# Altium PCB Pleiades_PP.PcbDoc (part 14 of 15)
Units mil, origin at the board's own origin, x right, y up, seen from the top; angles counter-clockwise.
Board outline 12244.09 x 4515.28 mil, 12 copper layers (TOP, GND1, IN1, GND2, POW1, GND3, POW2, GND4, GND5, IN2, GND6, BOT), stack 63.546 mil thick; 1447 components, 738 nets, 4532 pads, 3316 vias.
Unrouted connection lines stored in the file: 499.
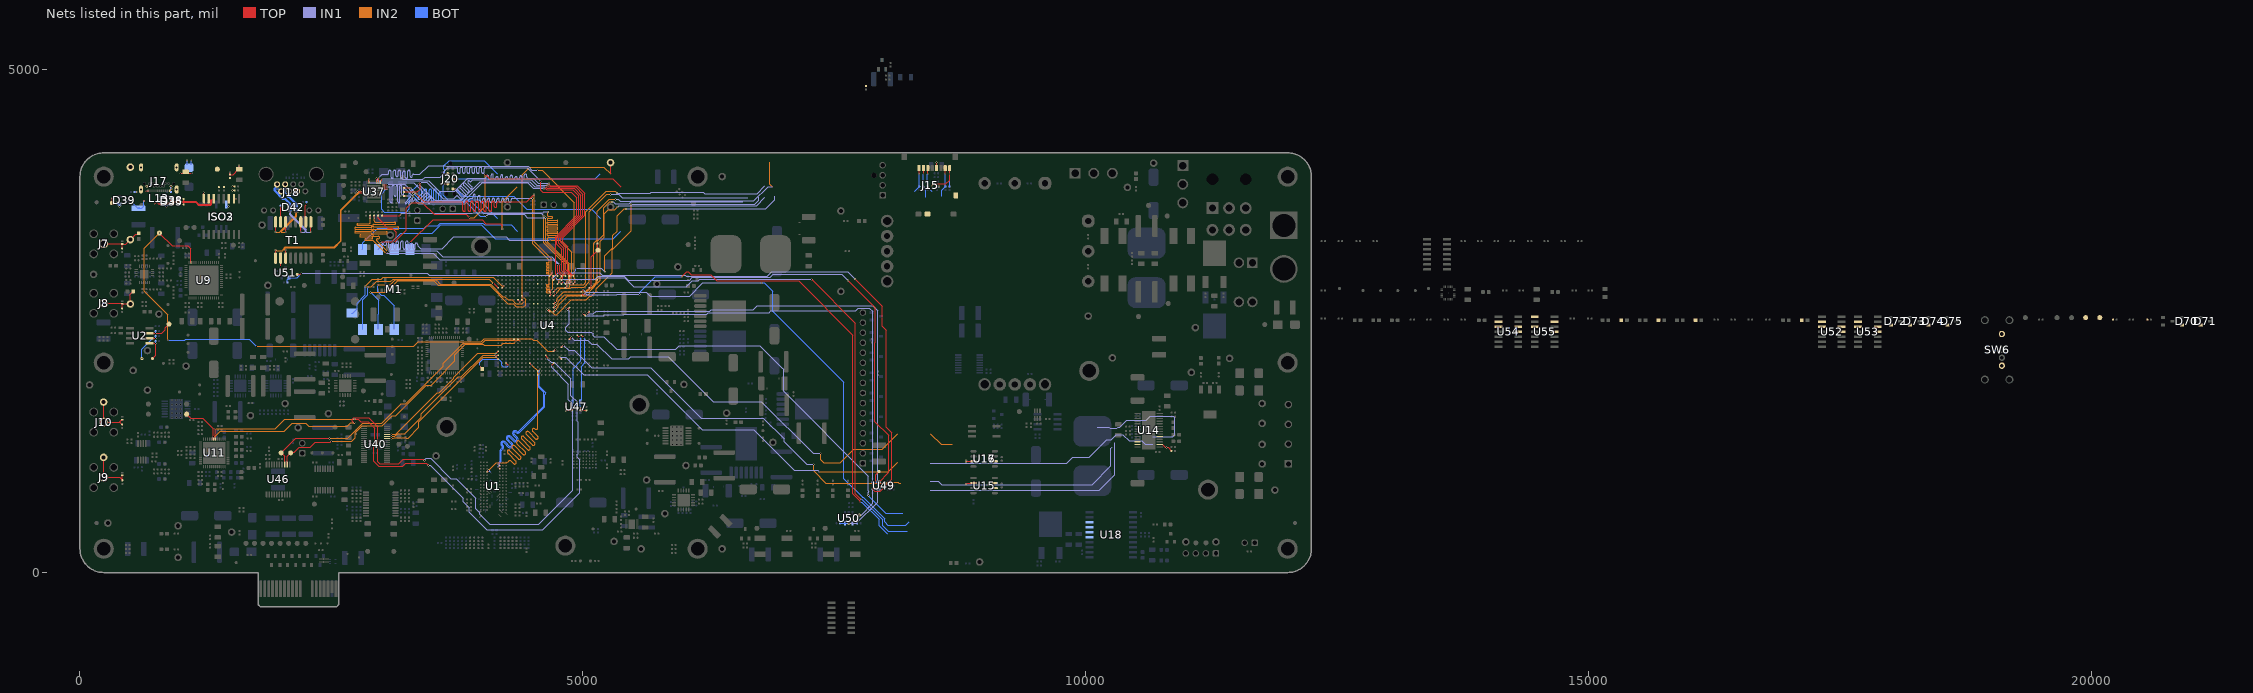
[diagram p24: the nets of this part, all layers, seen from the top]

## Via types
v1: diameter 12/18/18/18/18/18/18/18/18/18/18/12 (per signal layer), hole 6, TOP to BOT, 2739 vias
v2: diameter 20, hole 10, TOP to BOT, 363 vias
v3: diameter 19.68, hole 7.87, TOP to BOT, 110 vias
v4: diameter 40, hole 20, TOP to BOT, 36 vias
v5: diameter 25, hole 12, TOP to BOT, 32 vias
v6: diameter 22, hole 12, TOP to BOT, 27 vias
v7: diameter 19.68, hole 11.81, TOP to BOT, 9 vias

## Nets (pads, with @x,y where several pads share a name; then routed paths per layer and width w, separated by ;. In a path a pad name is that pad's centre, name@x,y a point inside that pad or via, vN(x,y) a via of type N, cw(c..) or ccw(c..) an arc to the next point about the centre after c; other vN are vias at no path point) (continued)
RTC_MFP: R45.2 TP5.1 U2.7 U4.L24 | length 268
  TOP w10: U2.7@690,2380 749.46,2380 751.96,2377.5 v1(752.5,2377.5) 811.54,2377.5 847.19,2413.15 847.19,2432.19 TP5.1@885,2470
  BOT w10: v1(752.5,2377.5) R45.2@752.5,2400
RTC_SCL: R47.2 TP7.1 U2.6 U4.K19 | length 359.5
  TOP w10: U2.6@690,2330 749.46,2330 751.96,2327.5 v1(752.5,2327.5)
  BOT w10: v1(615,2127.5) 615,2218.16 724.34,2327.5 v1(752.5,2327.5) R47.2@752.5,2350
RTC_SDA: R46.2 TP6.1 U2.5 U4.L19 | length 249.5
  TOP w10: U2.5@690,2280 749.46,2280 751.96,2277.5 v1(752.5,2277.5) 752.5,2160 TP6.1@720,2127.5
  BOT w10: v1(752.5,2277.5) R46.2@752.5,2300
RX_17_+: D42.1 D42.10 J18.1 T1.11 | length 788.5
  TOP w10: v1(2195,3385) T1.11@2195,3485.96
  IN1 w3.09: v1(2080.63,3586.56) 2084.11,3586.56 2085.93,3584.75 2085.93,3558.5 2240.45,3403.97 2240.45,3386.81 2238.64,3385 v1(2195,3385)
  BOT w4.33: J18.1@1960,3860 1960,3846.27 1944.72,3830.99 1944.72,3829.76 1942.19,3827.22 1937.65,3827.22 1929.65,3819.22 1929.65,3795.56 2011.76,3713.45 2034.83,3713.45 2085.81,3662.47 2085.81,3655.26 2080.63,3650.08 D42.1@2080.63,3645.16 2080.63,3640.24 2085.81,3635.06 2085.81,3624.94 2080.63,3619.76 D42.10@2080.63,3614.84
  BOT w10: v1(2080.63,3586.56) D42.10@2080.63,3614.84
RX_17_-: D42.2 D42.9 J18.2 T1.9 | length 802.2
  TOP w10: v1(2295,3385) T1.9@2295,3485.96
  IN1 w3.09: v1(2100.31,3586.56) 2096.83,3586.56 2095.02,3584.75 2095.02,3562.26 2249.55,3407.74 2249.55,3386.81 2251.36,3385 v1(2295,3385)
  BOT w4.33: J18.2@2000,3790 1972.11,3817.89 1941.51,3817.89 1938.98,3815.36 1938.98,3799.42 2015.62,3722.78 2038.7,3722.78 2095.14,3666.34 2095.14,3655.26 2100.31,3650.08 D42.2@2100.31,3645.16 2100.31,3640.24 2095.14,3635.06 2095.14,3624.94 2100.31,3619.76 D42.9@2100.31,3614.84
  BOT w10: v1(2100.31,3586.56) D42.9@2100.31,3614.84
RXC: R301.2 U4.W25 | length 3701.6
  TOP w5.95: R301.2@3222.5,3785 3355,3785 3383.03,3813.03 v1(3383.03,3878.03) ; v1(4647.63,3852.63) 4647.63,3845.66 4660,3833.28 4928.28,3833.28 5000,3761.57 5000,3550 4780,3330 4780,3281.57 4830,3231.57 4830,3011.67 4880.98,2960.69 4880.98,2941.22 4867,2927.24 4867,2910.31 U4.W25@4866.14,2909.45
  IN1 w3.68: v1(3383.03,3878.03) 3446.97,3878.03 3610,3715 3715,3715 3722.5,3722.5 3740.54,3740.54 cw(c3748.91,3732.17) 3757.28,3740.54 3781.35,3716.48 ccw(c3789.72,3724.85) 3798.09,3716.48 ccw(c3789.72,3724.85) 3798.09,3733.22 3746.25,3785.06 cw(c3754.62,3793.43) 3746.25,3801.8 cw(c3754.62,3793.43) 3762.99,3801.8 3814.83,3749.96 ccw(c3823.2,3758.33) 3831.58,3749.96 ccw(c3823.2,3758.33) 3831.58,3766.7 3779.73,3818.55 cw(c3788.1,3826.92) 3779.73,3835.29 cw(c3788.1,3826.92) 3796.47,3835.29 3848.32,3783.44 ccw(c3856.69,3791.81) 3865.06,3783.44 ccw(c3856.69,3791.81) 3865.06,3800.18 3813.21,3852.03 cw(c3821.59,3860.4) 3813.21,3868.77 cw(c3821.59,3860.4) 3829.96,3868.77 3879.71,3819.02 ccw(c3888.08,3827.39) 3896.45,3819.02 ccw(c3888.08,3827.39) 3896.45,3835.76 3857.73,3874.48 cw(c3866.11,3882.85) 3857.73,3891.22 ; 3857.73,3891.22 cw(c3866.11,3882.85) 3874.48,3891.22 ccw(c3882.85,3899.59) 3891.22,3891.22 3903.94,3903.94 3927.08,3903.94 4488.94,3903.94 4540.25,3852.63 v1(4647.63,3852.63)
RXCT_17: R304.1 T1.10 | length 206.3
  TOP w10: T1.10@2245,3485.96 2241.17,3489.79 2241.17,3543.15 2240,3544.32 2240,3649.11 2252.5,3661.61 v1(2252.5,3662.15)
  BOT w10: v1(2252.5,3662.15) R304.1@2252.5,3685
RXD: U4.W18 U18.5 | length 4638.6
  TOP w8.89: v1(4846.46,2614.17) U4.W18@4866.14,2633.86
  IN1 w5: v1(4846.46,2614.17) 4865,2595.63 4865,2475 4828.96,2438.96 4828.96,2410.07 4847.82,2391.21 5085.68,2391.21 5104.55,2372.35 5104.55,2356.08 5115.63,2345 5210,2345 5335,2220 5650,2220 5925,2220 5960,2255 6758.86,2255 6979.39,2034.47 6995,2018.86 6995,1804.39 7840,959.39 7840,811.26 7841.5,809.76 7841.5,800.24 7840,798.74 v1(7840,765)
  BOT w5: v1(7840,765) 8013.5,591.5 8174.1,591.5 8178.6,587
RXD0: R297.2 U4.V23 | length 3624.4
  TOP w5.95: R297.2@3005,3547.5 3177.5,3547.5 v1(3190,3560)
  TOP w8.89: U4.V23@4826.77,2830.71 v1(4846.46,2850.39)
  IN1 w3.68: v1(3190,3560) 3200.16,3570.16 3901.84,3570.16 3910.84,3579.16 4607.5,3579.16 4613.34,3585 v1(4655,3585)
  IN2 w3.68: v1(4655,3585) 4650.33,3580.33 4650.33,3578.49 4650.29,3549.31 ccw(c4659.63,3549.3) 4659.63,3539.97 4690.14,3539.97 cw(c4690.14,3530.63) 4690.14,3521.29 4654.44,3521.29 ccw(c4654.44,3511.95) 4654.44,3502.61 4742.97,3502.61 cw(c4742.97,3493.27) 4742.97,3483.94 4651.53,3483.94 ccw(c4651.53,3474.6) 4651.53,3465.26 4742.97,3465.26 cw(c4742.97,3455.92) 4742.97,3446.58 4651.53,3446.58 ccw(c4651.53,3437.24) 4651.53,3427.91 4742.97,3427.91 cw(c4742.97,3418.57) 4742.97,3409.23 4651.53,3409.23 ccw(c4651.53,3399.89) 4651.53,3390.55 4742.97,3390.55 cw(c4742.97,3381.21) 4742.97,3371.88 4651.53,3371.88 ccw(c4651.53,3362.54) 4651.53,3353.2 4742.97,3353.2 cw(c4742.97,3343.86) 4742.97,3334.52 4659.37,3334.52 ccw(c4659.37,3325.18) 4650.03,3325.2 4650,3301.84 4650,3300 4650,3284.44 4865,3069.44 4865,2892.98 4846.46,2874.44 v1(4846.46,2850.39)
RXD1: R298.2 U4.W24 | length 3624.4
  TOP w8.89: U4.W24@4866.14,2870.08 v1(4885.83,2889.76)
  TOP w10: R298.2@2965,3547.5 2965,3522.5 3062.5,3425 3105,3425 3145,3385 3145,3335 3100,3290 v1(2990,3290)
  IN1 w3.68: v1(2990,3290) 3024.93,3255.07 3035,3255.07 3036.84,3255.07 ccw(c3036.84,3266.91) 3048.68,3266.91 3048.68,3283.24 cw(c3060.52,3283.24) 3072.35,3283.24 3072.35,3226.91 ccw(c3084.19,3226.91) 3096.03,3226.91 3096.03,3260.63 cw(c3107.87,3260.63) 3119.71,3260.63 3119.71,3226.91 ccw(c3131.55,3226.91) 3143.38,3226.91 3143.38,3283.24 cw(c3155.22,3283.24) 3167.06,3283.24 3167.06,3226.91 ccw(c3178.9,3226.91) 3190.74,3226.91 3190.74,3283.24 cw(c3202.58,3283.24) 3214.41,3283.24 3214.41,3226.91 ccw(c3226.25,3226.91) 3238.09,3226.91 3238.09,3283.24 cw(c3249.93,3283.24) 3261.77,3283.24 3261.77,3226.91 ccw(c3273.6,3226.91) 3285.44,3226.91 3285.44,3259.82 cw(c3297.28,3259.82) 3309.12,3259.82 3309.12,3226.91 ccw(c3320.96,3226.91) 3332.8,3226.91 3332.8,3264.42 cw(c3344.63,3264.42) 3356.47,3264.42 3356.47,3258.9 ccw(c3368.31,3258.9) 3359.94,3250.53 3390.32,3220.15 3520,3220.15 3600.15,3220.15 3716.93,3336.93 4236.48,3336.93 4270.41,3303 v1(4675,3303)
  IN2 w3.68: v1(4675,3303) 4772,3303 4890.61,3184.39 4890.61,2949.52 4885.83,2944.74 v1(4885.83,2889.76)
  other v1: 2990,3290
RXD2: R299.2 U4.U25 | length 3624.4
  TOP w5.95: v1(4770,3065) 4770,2992.93 4802.24,2960.69 4802.24,2924.28 U4.U25@4787.4,2909.45
  TOP w10: v1(2925,3525) R299.2@2925,3547.5
  IN1 w3.68: v1(3060,3190) 3070,3200 3545,3200 3605,3140 4688.69,3140 4763.69,3065 v1(4770,3065)
  IN2 w3.68: v1(2925,3525) 2925,3520.67 2925,3496.86 ccw(c2936.84,3496.86) 2936.84,3485.02 3127.12,3485.02 cw(c3127.12,3473.18) 3127.12,3461.35 2922.61,3461.35 ccw(c2922.61,3449.51) 2922.61,3437.67 3159.81,3437.67 cw(c3159.81,3425.83) 3159.81,3413.99 2922.61,3413.99 ccw(c2922.61,3402.15) 2922.61,3390.32 3045.43,3390.32 cw(c3045.43,3378.48) 3045.43,3366.64 2922.61,3366.64 ccw(c2922.61,3354.8) 2922.61,3342.96 2967.32,3342.96 cw(c2967.32,3331.13) 2967.32,3319.29 2959.29,3319.29 ccw(c2959.29,3307.45) 2950.92,3299.08 3009.5,3240.5 v1(3060,3190)
RXD3: R300.2 U4.U26 | length 3624.4
  TOP w5.95: v1(4750,3063.36) 4750,2986.22 U4.U26@4787.4,2948.82
  TOP w10: v1(2885,3525) R300.2@2885,3547.5
  IN1 w3.68: v1(3040,3175) 3514.07,3175 3579.07,3110 4703.36,3110 v1(4750,3063.36)
  IN2 w3.68: v1(2885,3525) 2885,3521.06 2885,3478.94 cw(c2875.66,3478.94) 2875.66,3469.6 2763,3469.6 ccw(c2763,3460.26) 2763,3450.92 2894.76,3450.92 cw(c2894.76,3441.58) 2894.76,3432.24 2741.05,3432.24 ccw(c2741.05,3422.91) 2741.05,3413.57 2894.76,3413.57 cw(c2894.76,3404.23) 2894.76,3394.89 2741.05,3394.89 ccw(c2741.05,3385.55) 2741.05,3376.21 2894.76,3376.21 cw(c2894.76,3366.88) 2894.76,3357.54 2789.29,3357.54 ccw(c2789.29,3348.2) 2789.29,3338.86 2903.03,3338.86 cw(c2903.03,3329.52) 2903.03,3320.18 2841.18,3320.18 ccw(c2841.18,3310.85) 2841.18,3301.51 2906.89,3301.51 cw(c2906.89,3285.57) 2918.16,3296.84 2920,3295 v1(3040,3175)
RXDV: R294.2 U4.P21 | length 3624.4
  TOP w8.89: U4.P21@4669.29,2751.97 v1(4688.98,2771.65)
  TOP w10: R294.2@3222.5,3745 v1(3245,3745)
  IN1 w3.68: v1(3245,3745) 3270.3,3745 3281.19,3745 3285.36,3740.83 cw(c3279.82,3735.29) 3285.36,3729.74 3234.14,3678.53 ccw(c3239.69,3672.99) 3234.14,3667.44 ccw(c3239.69,3672.99) 3245.23,3667.44 3296.44,3718.66 cw(c3301.99,3713.12) 3307.53,3718.66 cw(c3301.99,3713.12) 3307.53,3707.57 3269.78,3669.83 ccw(c3275.33,3664.28) 3269.78,3658.74 ccw(c3275.33,3664.28) 3280.87,3658.74 3329.7,3707.57 cw(c3335.24,3702.03) 3340.78,3707.57 cw(c3335.24,3702.03) 3340.78,3696.49 ccw(c3346.33,3690.95) 3340.78,3685.4 3361.19,3665 3405.41,3665 3825,3665 3880,3720 3895,3720 3896.84,3720 ccw(c3896.84,3731.84) 3908.68,3731.84 3908.68,3748.16 cw(c3920.52,3748.16) 3932.35,3748.16 3932.35,3693.51 ccw(c3944.19,3693.51) 3956.03,3693.51 3956.03,3734.01 cw(c3967.87,3734.01) 3979.71,3734.01 3979.71,3693.51 ccw(c3991.55,3693.51) 4003.38,3693.51 4003.38,3709.39 cw(c4015.22,3709.39) 4027.06,3709.39 4027.06,3693.51 ccw(c4038.9,3693.51) 4050.74,3693.51 4050.74,3708.16 cw(c4062.58,3708.16) 4074.41,3708.16 4074.41,3693.51 ccw(c4086.25,3693.51) 4098.09,3693.51 4098.09,3708.16 cw(c4109.93,3708.16) 4121.77,3708.16 4121.77,3693.51 ccw(c4133.6,3693.51) 4145.44,3693.51 4145.44,3708.16 cw(c4157.28,3708.16) 4169.12,3708.16 4169.12,3693.51 ccw(c4180.96,3693.51) 4192.8,3693.51 4192.8,3708.79 cw(c4204.63,3708.79) 4216.47,3708.79 4216.47,3693.51 ccw(c4228.31,3693.51) 4240.15,3693.51 4240.15,3708.16 cw(c4251.99,3708.16) 4263.83,3708.16 4263.83,3693.51 ccw(c4275.66,3693.51) 4287.5,3693.51 4287.5,3708.16 cw(c4299.34,3708.16) 4299.34,3720 4345,3720 v1(4500,3720)
  IN2 w3.68: v1(4500,3720) 4500,3270 4641.07,3128.93 4665,3105 4665,3089.74 cw(c4657.16,3089.74) 4657.16,3081.9 4644.51,3081.9 ccw(c4644.51,3074.06) 4644.51,3066.23 4659.97,3066.23 cw(c4659.97,3058.39) 4659.97,3050.55 4644.51,3050.55 ccw(c4644.51,3042.71) 4644.51,3034.87 4659.97,3034.87 cw(c4659.97,3027.03) 4659.97,3019.2 4644.51,3019.2 ccw(c4644.51,3011.36) 4644.51,3003.52 4659.97,3003.52 cw(c4659.97,2995.68) 4659.97,2987.84 4644.51,2987.84 ccw(c4644.51,2980.01) 4644.51,2972.17 4657.16,2972.17 cw(c4657.16,2964.33) 4665,2964.33 4665,2870.27 cw(c4657.16,2870.27) 4657.16,2862.43 4644.51,2862.43 ccw(c4644.51,2854.59) 4644.51,2846.75 4659.97,2846.75 cw(c4659.97,2838.92) 4659.97,2831.08 4644.51,2831.08 ccw(c4644.51,2823.24) 4644.51,2815.4 4664.3,2815.4 cw(c4664.3,2807.56) 4664.3,2799.72 4644.51,2799.72 ccw(c4644.51,2791.89) 4644.51,2784.05 4671.04,2784.05 cw(c4671.04,2770.67) 4680.5,2780.13 4682.34,2778.29 v1(4688.98,2771.65)
RXER: R295.2 U4.P22 | length 3609.6
  TOP w5.95: v1(3345,3765) 3425,3685 3765,3685 3793.93,3685 cw(c3793.93,3672.02) 3806.91,3672.02 3806.91,3602.69 ccw(c3819.89,3602.69) 3832.86,3602.69 3832.86,3678.07 cw(c3845.84,3678.07) 3858.82,3678.07 3858.82,3602.69 ccw(c3871.8,3602.69) 3884.77,3602.69 3884.77,3678.07 cw(c3897.75,3678.07) 3910.73,3678.07 3910.73,3602.69 ccw(c3923.71,3602.69) 3936.68,3602.69 3936.68,3678.07 cw(c3949.66,3678.07) 3962.64,3678.07 3962.64,3602.69 ccw(c3975.61,3602.69) 3988.59,3602.69 3988.59,3678.07 cw(c4001.57,3678.07) 4014.55,3678.07 4014.55,3602.69 ccw(c4027.52,3602.69) 4040.5,3602.69 4040.5,3678.07 cw(c4053.48,3678.07) 4066.46,3678.07 4066.46,3602.69 ccw(c4079.43,3602.69) 4092.41,3602.69 4092.41,3678.07 cw(c4105.39,3678.07) 4118.36,3678.07 4118.36,3642.88 ccw(c4131.34,3642.88) 4144.32,3642.88 4144.32,3672.02 cw(c4157.3,3672.02) 4157.3,3685 4220,3685 4440,3685 v1(4515,3760)
  TOP w8.89: U4.P22@4669.29,2791.34 v1(4688.98,2811.02)
  TOP w10: R295.2@3222.5,3825 v1(3285,3825)
  IN1 w3.68: v1(3285,3825) v1(3345,3765)
  IN2 w3.68: v1(4515,3760) 4515,3290 4684.16,3120.84 4684.16,2965.84 4699.81,2950.19 4699.81,2854.88 4699.81,2821.86 v1(4688.98,2811.02)
RZQ_9: R69.1 U4.C4 | length 456.5
  TOP w8.89: U4.C4@4236.22,2082.68 4256.3,2062.59 4262.53,2062.59 v1(4263.12,2062)
  TOP w10: v1(3974.09,2050.91) R69.1@3990,2035
  BOT w8.89: v1@3972.6,2050.91 3972.6,2091.86 4003.24,2122.5 4161.95,2122.5 4193.61,2090.84 4193.61,2062.66 4209.72,2046.55 4247.67,2046.55 v1(4263.12,2062)
SCL1: R346.2 TP164.1 U4.AA11 U47.4 | length 854
  TOP w8.89: U4.AA11@4944.88,2358.27 v1(4964.57,2338.58)
  TOP w10: R346.2@4830,1612.5 4831.25,1613.75 4883.75,1613.75 TP164.1@4885,1615 v1(4885,1637.5)
  BOT w8.89: U47.4@4897.6,1701.18 4902.27,1705.85 4902.27,2027.27 4981.01,2106.01 4981.01,2322.14 v1(4964.57,2338.58)
  BOT w10: v1(4885,1637.5) 4885,1638.04 4897.6,1650.64 U47.4@4897.6,1701.18
SCL2: R348.2 TP172.1 U4.R25 U49.4 | length 5380.4
  TOP w5: v1(7635,2905) 7907.05,2632.95 7907.05,2288 7904.59,2285.54 7904.59,1500.41 8040,1365 8040,995 TP172.1@7945,900
  TOP w8.89: U4.R25@4708.66,2909.45 v1(4728.35,2929.13)
  TOP w10: v1(7910.41,827.39) 7945,861.98 TP172.1@7945,900
  IN1 w5: v1(4728.35,2929.13) 4742.48,2915 5124.18,2915 5139.17,2930 5139.17,2931.64 5154.17,2946.63 5412.43,2946.63 5450.56,2908.5 6061.84,2908.5 6088.34,2935 6865.12,2935 6895.12,2965 7575,2965 v1(7635,2905)
  BOT w10: R348.2@7880,827.5 7880.11,827.39 v1(7910.41,827.39) 7940.71,827.39 U49.4@7940.82,827.28
SCL3: R350.2 TP174.1 U4.AC16 U50.4 | length 5188.3
  TOP w8.89: v1(5003.94,2574.8) U4.AC16@5023.62,2555.12
  IN1 w5: v1(5003.94,2574.8) 5023.74,2555 5207.37,2555 5213.87,2561.5 5404.14,2561.5 5411.14,2568.5 6232.91,2568.5 6247.91,2583.5 6852.24,2583.5 6870.24,2601.5 7711.5,2601.5 7740,2630 7850,2630 7883.04,2596.96 7883.04,688.04 7766.77,571.77 v1(7748.96,571.77)
  BOT w10: U50.4@7681.36,490.59 7681.99,489.96 R350.2@7727.7,489.96 7727.7,550.51 v1(7748.96,571.77)
SD_CLK: J15.5 R181.2 U4.R19 | length 3440.1
  TOP w8.89: U4.R19@4708.66,2673.23 v1(4728.35,2692.91)
  TOP w10: J15.5@8516.93,4020.35 v1(8516.93,4077.23)
  IN1 w5: v1(5325,3710) 5353.74,3710 5373.74,3690 5473.69,3690 5481.19,3697.5 6701.24,3697.5 6841.24,3837.5 6882.5,3837.5
  IN2 w5: v1(4728.35,2692.91) 4747.26,2711.83 4747.26,2728.09 4809.17,2790 5023.22,2790 5072.11,2838.89 5087.44,2838.89 5133.55,2885 5133.55,2900.33 5110.55,2923.33 5110.55,3274.28 5144.5,3308.24 5144.5,3594.5 5260,3710 v1(5325,3710)
  IN2 w10: 6856.93,4077.23 6856.93,3863.07 6882.5,3837.5
  BOT w10: R181.2@8520,3837.5 v1(8542.5,3837.5)
SD_CMD: J15.3 R180.2 U4.R17 | length 3207.7
  TOP w8.89: U4.R17@4708.66,2594.49 v1(4728.35,2614.17)
  TOP w10: v1(8430.32,3963.48) J15.3@8430.32,4020.35
  IN1 w5: v1(5345,3635) 5358.5,3648.5 6728.5,3648.5 6810,3730
  IN2 w5: v1(4728.35,2614.17) 4756.22,2642.04 4756.22,2658.31 4847.91,2750 5040,2750 5068,2778 5068,2796.83 5175,2903.83 5175,3295 5213.5,3333.5 5213.5,3568.5 5251.5,3606.5 5316.5,3606.5 v1(5345,3635)
  BOT w5: R180.2@8425,3837.5 8470,3792.5
  BOT w10: R180.2@8425,3837.5 8425,3957.63 8430.32,3962.94 v1(8430.32,3963.48)
SD_D0: J15.7 R176.2 U4.U24 | length 3137.8
  TOP w8.89: U4.U24@4787.4,2870.08 v1(4807.09,2889.76)
  TOP w10: v1(8603.54,3963.48) J15.7@8603.54,4020.35
  IN1 w5.95: v1(4930,3025) 5185,3025 v1(5220,2990) ; v1(5430,3615) 6820,3615 6910,3705 6910,3740
  IN2 w5.95: v1(5220,2990) 5220,3150 5298.02,3228.02 5298.02,3351.08 5340,3393.06 5340,3545 5410,3615 v1(5430,3615)
  BOT w5.95: v1(4807.09,2889.76) 4822.06,2874.79 4852.66,2874.79 4870.85,2892.98 4870.85,2944.16 4930,3003.31 v1(4930,3025) ; 8570,3740 8570,3802.5 R176.2@8605,3837.5 R176.2@8603.93,3838.57
  BOT w10: v1(8603.54,3963.48) 8603.93,3963.1 R176.2@8603.93,3838.57
SD_D1: J15.8 R177.2 U4.R22 | length 3424.9
  TOP w5: v1(8470,3845) 8490.17,3865.17 8610.17,3865.17 8646.85,3901.85 v1(8646.85,3963.48)
  TOP w8.89: U4.R22@4708.66,2791.34 v1(4728.35,2811.02)
  TOP w10: v1(8646.85,3963.48) J15.8@8646.85,4020.35
  IN1 w5: v1(5340,3773.5) 5669.81,3773.5 5678.85,3782.54 6197.28,3782.54 6211.33,3768.5 6733.5,3768.5 6810,3845
  IN2 w5: v1(4728.35,2811.02) 4750.22,2832.89 4858.26,2832.89 4867.38,2842.02 4867.38,2852.38 4876.89,2861.89 5006.89,2861.89 5030,2885 5030,3585 5235,3790 5323.5,3790 v1(5340,3773.5)
  BOT w10: R177.2@8645,3837.5 8646.47,3838.97 8646.47,3963.1 v1(8646.85,3963.48)
SD_D2: J15.1 R178.2 U4.R21 | length 3018.1
  TOP w8.89: U4.R21@4708.66,2751.97 v1(4728.35,2771.65)
  TOP w10: v1(8343.7,3963.48) J15.1@8343.7,4020.35
  IN1 w5: v1(5275,3760) 5355,3760 5390,3725 6640,3725
  IN2 w5: v1(4728.35,2771.65) 4781.59,2824.89 4876.59,2824.89 4890.59,2838.89 5013.89,2838.89 5065,2890 5065,3585 5240,3760 v1(5275,3760)
  BOT w5: 8300,3792.5 8344.08,3836.58 R178.2@8344.08,3838.42
  BOT w10: v1(8343.7,3963.48) 8344.08,3963.1 8344.08,3838.42 R178.2@8345,3837.5
SD_D3: J15.2 R179.2 U4.P17 | length 3254.1
  TOP w8.89: v1(4649.61,2614.17) U4.P17@4669.29,2594.49
  TOP w10: v1(8387.01,3963.48) J15.2@8387.01,4020.35
  IN1 w5: v1(5480,3660) 6710,3660 6750,3700 6750,3730
  IN2 w5: v1(4649.61,2614.17) 4667.68,2614.17 4718.55,2563.3 4738.3,2563.3 4885,2710 5035.64,2710 5070.62,2744.97 5083.57,2744.97 5133.55,2794.95 5133.55,2823.55 5290,2980 5290,3208.01 5480,3398.01 v1(5480,3660)
  BOT w6: R179.2@8385,3837.5 8409,3813.5 8409,3731
  BOT w10: R179.2@8385,3837.5 8385,3960.93 8387.01,3962.94 v1(8387.01,3963.48)
SD_DET: J15.DL J15.DS R175.2 U4.R18 | length 2741.1
  TOP w8.89: U4.R18@4708.66,2633.86 v1(4728.35,2653.54)
  IN1 w5: v1(5290,3685) 5304.13,3685 5324.13,3665 5460,3665 5480,3685 6590,3685
  IN2 w5: v1(4728.35,2653.54) 4756.22,2681.41 4756.22,2697.68 4818.69,2760.15 5010.15,2760.15 5080.89,2830.89 5090.75,2830.89 5141.55,2881.69 5141.55,3293.97 5205.5,3357.92 5205.5,3625.5 5265,3685 v1(5290,3685)
SDA1: R345.2 TP163.1 U4.AB11 U47.5 | length 838.8
  TOP w8.89: U4.AB11@4984.25,2358.27 v1(5003.94,2338.58)
  TOP w10: v1(4980,1637.5) TP163.1@4980,1615 4981.25,1613.75 5033.75,1613.75 R345.2@5035,1612.5
  BOT w10: v1(4980,1637.5) 4980,1638.04 4972.4,1645.64 4972.4,1710.04 4979.21,1716.85 4981.08,1716.85 4986.94,1722.71 4986.94,2051.94 5020.94,2085.94 5020.94,2321.58 v1(5003.94,2338.58)
SDA2: R347.2 TP166.1 U4.R26 U49.5 | length 5779.7
  TOP w5: v1(7705,2920) 7978.04,2646.96 7978.04,2446.96 8017.96,2407.04 8017.96,1442.04 8070,1390 8070,925 7955,810 7900,810 7885,825 7885,874.38 v1(7910.41,899.79)
  TOP w8.89: v1(4688.98,2929.13) U4.R26@4708.66,2948.82
  TOP w10: v1(7910.41,899.79) 7910.41,970.41 TP166.1@7945,1005
  IN1 w5: v1(4688.98,2929.13) 4704.13,2929.13 4755,2980 5166.18,2980 5191.55,2954.63 6020.37,2954.63 6030,2945 6835,2945 6880,2990 7635,2990 v1(7705,2920)
  BOT w10: R347.2@7880,897.5 7882.29,899.79 v1(7910.41,899.79) 7938.53,899.79 U49.5@7940.82,902.09
SDA3: R349.2 TP173.1 U4.AD17 U50.5 | length 5330.8
  TOP w8.89: v1(5043.31,2574.8) U4.AD17@5062.99,2594.49
  IN1 w5: v1(5043.31,2574.8) 5105.78,2574.8 5130.98,2600 6260,2600 6275,2615 6695,2615 6731.5,2651.5 7883.5,2651.5 7930.59,2604.41 7930.59,700.59 7720,490 v1(7645,490)
  BOT w10: R349.2@7557.7,489.96 7605.92,489.96 U50.5@7606.56,490.59 7607.15,490 v1(7645,490)
SDIO: TP63.1 U4.R4 U11.31 | length 6432.9
  TOP w5: v1(2730,1490) 2720,1490 2705,1505 2705,1525 2720,1540 2802.98,1540 2806.48,1536.5 2873.5,1536.5 2885.5,1524.5 2885.5,1523.99 2893.99,1515.5 2894.5,1515.5 2960,1450 2960,1100 2980,1080 3171.26,1080 3216.26,1125 3415,1125 v1(3425,1115)
  TOP w8.89: v1(4688.98,2062.99) U4.R4@4708.66,2082.68
  TOP w10: TP63.1@1060,1575 1102,1533 1144.25,1533 1145.75,1534.5 1219.54,1534.5 1324.96,1429.08 v1(1324.96,1353.55) U11.31@1324.96,1327.01
  IN1 w5: v1(3425,1115) 3444.03,1134.03 3485.97,1134.03 3687,933 3742,933 3935,740 3935,632.79 3950.71,617.08 3973.48,594.31 3973.48,581.52 4075,480 4560.03,480 4897.52,817.48 4897.52,1069.51 4898.24,1070.24 4898.24,1217.76 4897.52,1218.49 4897.52,1677.26 4856.41,1718.36 4856.41,1872.45 4688.98,2039.89 v1(4688.98,2062.99)
  IN2 w5: v1(1324.96,1353.55) 1343.55,1353.55 1393,1403 2030.86,1403 2112.86,1485 2245,1485 2275,1455 2655,1455 2690,1490 v1(2730,1490)
SEN: TP41.1 U4.R7 U9.15 | length 5742.1
  TOP w6: v1(790,3375) 915,3250 1070,3250 1102.05,3217.95 U9.15@1102.05,3081.18
  TOP w8.89: U4.R7@4708.66,2200.79 v1(4728.35,2220.47)
  IN2 w5: v1(1755,2250) 3320,2250 3365,2295 3990.7,2295 4018.37,2322.67 4493.42,2322.67 4504.5,2311.59 4539.47,2311.59 4651.06,2200 4707.87,2200 v1(4728.35,2220.47)
  IN2 w6: v1(790,3375) 640,3225 640,2796.97 875,2561.97 v1(875,2310)
  BOT w6: v1(875,2310) 1040,2310 1050,2320 1685,2320 v1(1755,2250)
SENSE_MISO: U4.A7 U40.34 | length 1457.2
  TOP w8.89: v1(4137.8,2181.1) U4.A7@4157.48,2200.79
  TOP w10: U40.34@3050.63,1372.41 v1(3094.72,1372.41)
  IN2 w6: v1(3094.72,1372.41) 3138.18,1372.41 3553.16,1787.39 3574.36,1787.39 3717,1930.03 3717,1942.34 3955.77,2181.1 v1(4137.8,2181.1)
SENSE_MOSI: U4.A6 U40.33 | length 1462.3
  TOP w8.89: v1(4129.64,2161.42) U4.A6@4157.48,2161.42
  TOP w10: U40.33@3050.63,1352.72 v1(3094.72,1352.72)
  IN2 w6: v1(3094.72,1352.72) 3131.22,1352.72 3158.5,1380 3230,1380 3395,1545 3395,1580 3760.5,1945.5 3792.47,1945.5 4008.39,2161.42 v1(4129.64,2161.42)
SENSE_SCLK: U4.A5 U40.32 | length 1488.7
  TOP w8.89: v1(4137.8,2141.73) U4.A5@4157.48,2122.05
  TOP w10: U40.32@3050.63,1333.04 v1(3094.72,1333.04)
  IN2 w6: v1(3094.72,1333.04) 3115.36,1333.04 3124.33,1342 3239,1342 3245.5,1335.5 3262.47,1335.5 3370,1443.03 3370,1500 4011.73,2141.73 v1(4137.8,2141.73)
SERIAL_NO: R351.2 TP175.1 U4.P26 U51.1 | length 2824.5
  TOP w8.89: U4.P26@4669.29,2948.82 4695,2974.53 v1(4695,2995)
  TOP w10: TP175.1@2160,2965 2160.54,2965.54 2190,2965.54 2199.46,2975 v1(2200,2975)
  IN1 w6: v1(2200,2975) 3452.1,2975 3470.59,2956.5 4676.98,2956.5 4695,2974.53 v1(4695,2995)
  BOT w10: R351.2@2062.5,2885 2062.5,2910 2079.5,2927 U51.1@2079.5,2933 2158,2933 v1(2200,2975)